# KiCad board Bongo-Cat-Fidget-Toy-panel.kicad_pcb (continued)
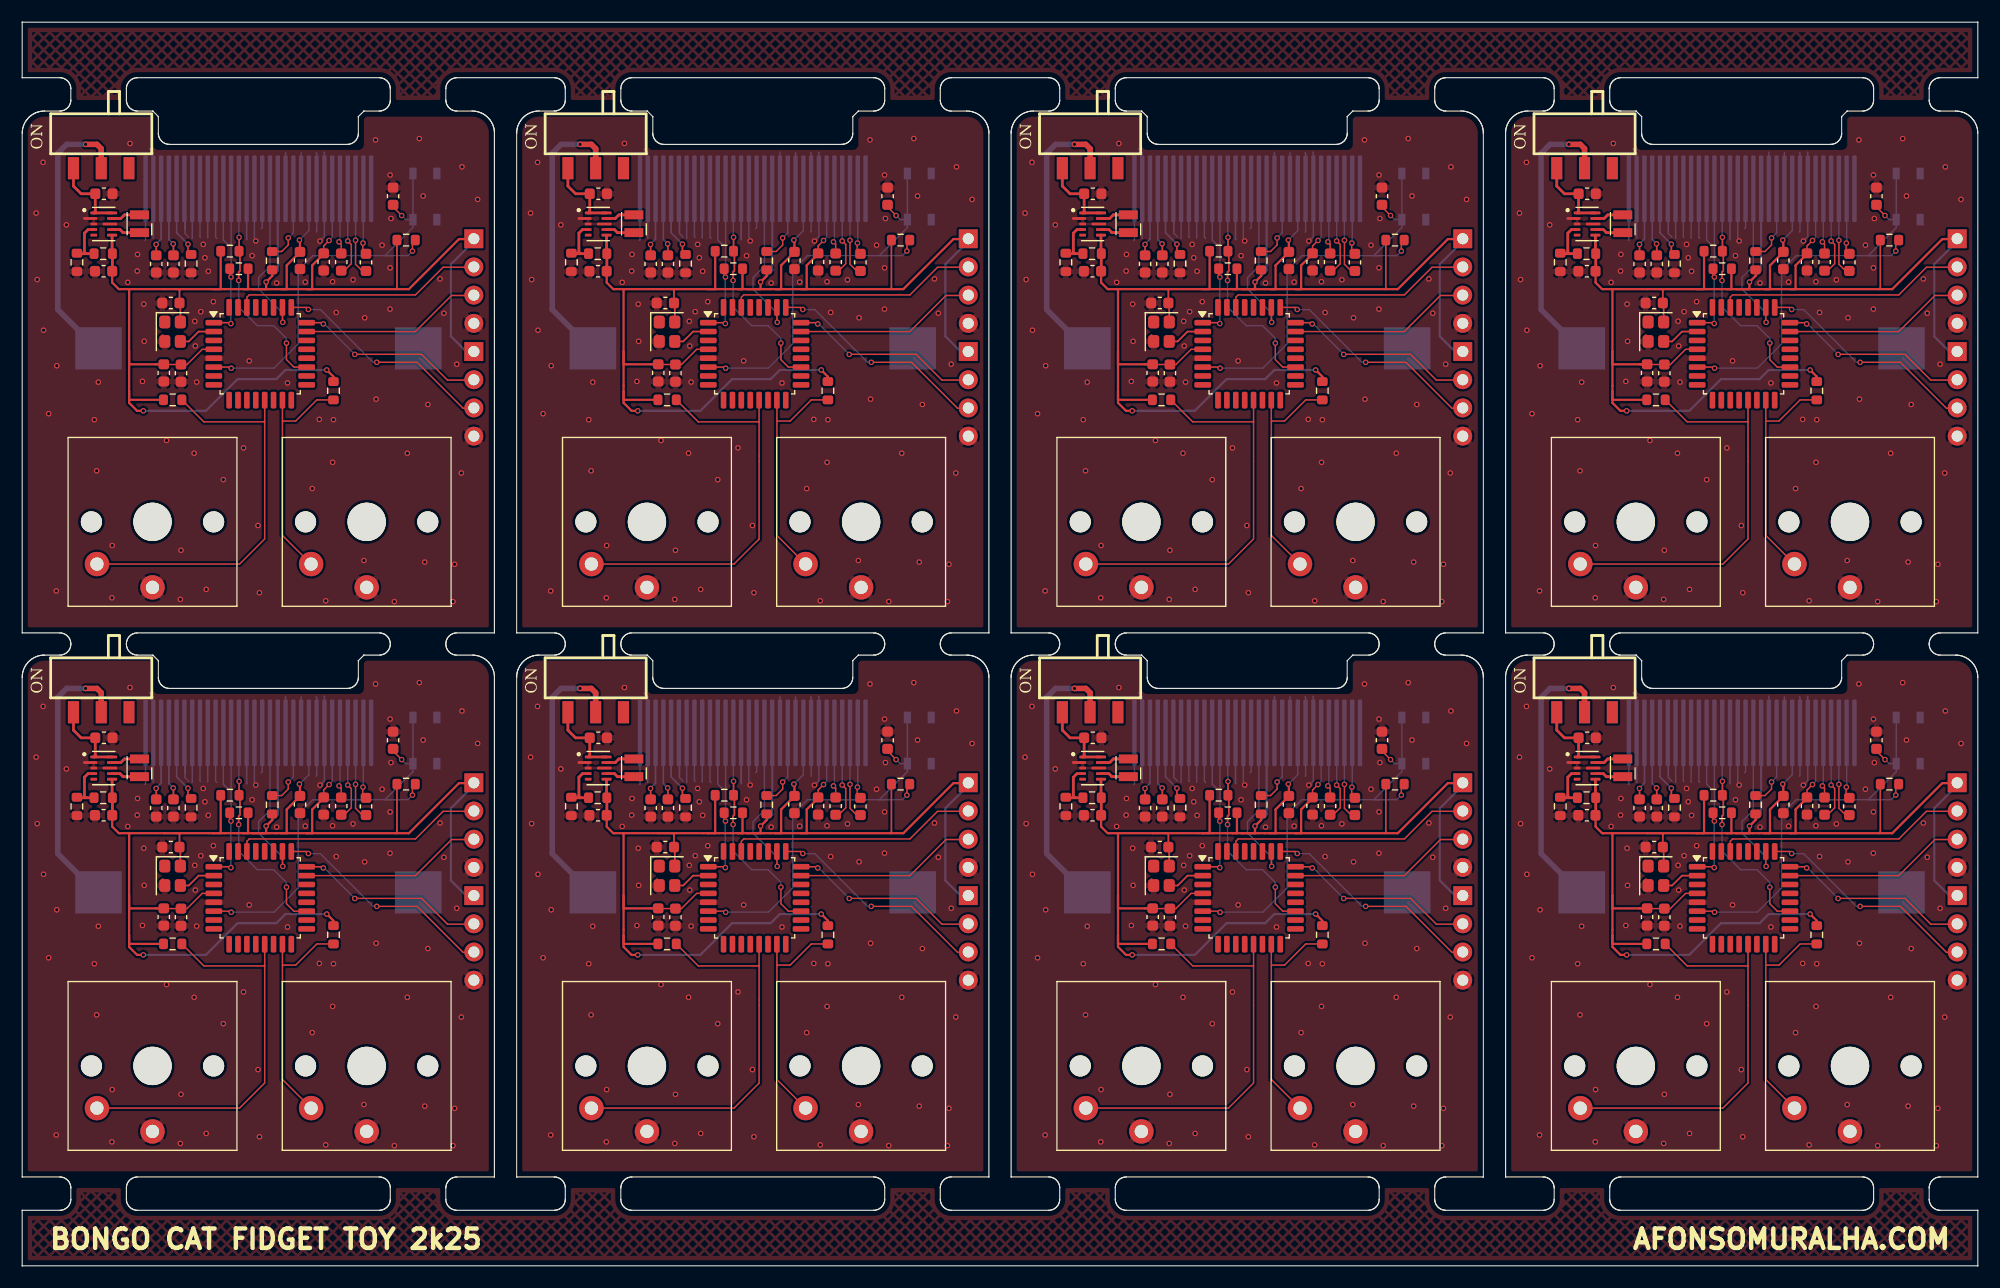
[diagram p0: board, top side]
## Routing (per net, layer and track width the routed paths; a pad name or vN(x,y) marks a point on that pad's centre or on a via; arc(x,y) is an arc through that point) (continued)
  Bottom w0.15: 20.22,43.43 20.2,43.45 20.2,47 ; 20.2,47 20.2,50.43 ; 20.2,47 20.23,46.97
  vias: v1(1.25,45.81) v1(1.35,39.82) v1(1.88,50.38) v1(1.92,35.26) v1(2.38,27.74) v1(3.11,32.06) v1(3.06,11.78) v1(3.97,44.75) v1(6.49,27.2) v1(6.7,22.6) v1(6.85,30.58) v1(8.1,15.87) v1(8.07,11.16) v1(9.5,39.57) v1(9.7,52.08) v1(10.35,40.59) v1(10.38,42.09) v1(10.82,30.65) v1(10.94,37.61) v1(10.98,34.26) v1(12.99,25.33) v1(14.23,11.02) v1(14.29,15.44) v1(15.53,36.07) v1(15.47,24.18) v1(15.58,33.84) v1(15.7,30.59) v1(16.07,36.93) v1(16.29,42.99) v1(16.44,41.79) v1(16.56,11.92) v1(16.74,40.57) v1(17.2,37.83) v1(18.1,21.8) v1(19.92,24.66) v1(20.43,32.5) v1(20.69,41.97) v1(21.02,43.3) v1(21.22,17.67) v1(21.35,11.62) v1(22.9,39.51) v1(23.88,30.51) v1(25.47,39.6) v1(26.1,21) v1(26.74,27.23) v1(27.32,10.89) v1(27.93,39.63) v1(27.94,23.36) v1(28.01,27.2) v1(28.26,36.86) v1(29.77,39.8) v1(30.75,14.52) v1(30.82,36.38) v1(31.8,52.4) v1(31.85,29.05) v1(32.39,42.92) v1(33.11,49.24) v1(33.11,40.88) v1(33.1,37.16) v1(33.19,45.32) v1(33.49,10.82) v1(34.66,24.18) v1(35.74,52.52) v1(36.08,47.35) v1(36.23,14.38) v1(36.51,28.57) v1(37.6,39.88) v1(37.95,36.79) v1(38.77,10.82) v1(38.91,14.18) v1(39.11,32.2) v1(39.52,22.4) v1(39.58,49.97) v1(40.99,47.04)
Board_4-Net-(BT1-+): length 25.3
  Top w0.5: SW5#7.2 7.11,51.62 6.72,52 v1(5.7,52)
  Bottom w0.5: BT1#7.1 6.69,33.63 3.2,37.12 3.2,51.2 4,52 v1(5.7,52)
Board_4-Net-(J1-Pin_2): length 4.9
  Top w0.127: v1(30.67,43.11) 30.65,43.09 30.65,42.14
  Bottom w0.127: 30.7,47 30.7,43.14 v1(30.67,43.11)
Board_4-Net-(J1-Pin_3): length 7
  Top w0.127: v1(30,43.36) 30,41.2 30.61,40.6 C9#6.1
  Bottom w0.127: 30,47 v1(30,43.36)
Board_4-Net-(J1-Pin_4): length 7.1
  Top w0.127: v1(29.3,43.3) 29.62,42.98 29.62,41.25 29,40.63 C8#3.2
  Bottom w0.127: v1(29.3,43.3) 29.3,47
Board_4-Net-(J1-Pin_5): length 4.9
  Top w0.127: C8#3.1 28.71,43.02 v1(28.51,43.22)
  Bottom w0.127: 28.6,47 28.6,43.31 v1(28.51,43.22)
Board_4-Net-(J1-Pin_26): length 5.1
  Top w0.15: v1(14.92,43.01) 14.92,42.31 14.9,42.29
  Bottom w0.15: v1(14.92,43.01) 13.9,44.03 13.9,47
Board_4-Net-(J1-Pin_27): length 5.2
  Top w0.15: C12#2.2 13.61,43.02 v1(13.59,43.04)
  Bottom w0.15: v1(13.59,43.04) 13.2,43.43 13.2,47
Board_4-Net-(J1-Pin_28): length 5.2
  Top w0.15: C13#6.2 12.06,42.98 v1(12.05,42.99)
  Bottom w0.15: 12.5,47 12.5,43.48 12.05,43.03 v1(12.05,42.99)
Board_4-Net-(SW5-C): length 7.3
  Top w0.25: U101#2.10 U101#2.1 6.58,45.96 6.58,47.55 5.3,47.55 4.61,48.24 SW5#7.1
Board_4-Net-(U101-FB): length 4.4
  Top w0.25: R6#6.2 5.72,42.16 ; 5.72,42.16 4.97,42.16 R4.1 ; 5.72,42.16 5.6,42.28 5.6,44 5.92,44.33 U101#2.4
Board_4-Net-(U101-L1): length 2.6
  Top w0.25: L102#6.1 9.2,45.65 8.88,45.33 U101#2.9
Board_4-Net-(U101-L2): length 2.6
  Top w0.25: U101#2.7 8.8,44.33 9.08,44.05 9.07,44.05 L102#6.2
Board_5-3V3: length 142.2
  Top w0.127: 71.63,41.95 C10.2 71.63,42.85 v1(72.12,43.34) ; 78.54,43.38 78.25,43.09 ; U1#7.4 60.7,33.54 59.33,32.17 C3.1 56.64,32.17 56.62,32.19 56.5,32.19 ; 57.5,28.96 57.53,28.99
  Top w0.15: 78.15,38.96 78.22,39.04 78.22,43.38
  Top w0.152: 57.26,38.96 58.55,38.96 58.66,38.86 C6#4.1 58.66,37.68 58.73,37.6 Y1.4
  Top w0.2: 54.12,29.74 54.12,33.33 ; 54.12,29.74 54.12,29 54.13,28.99 R1#8.1 ; 54.12,29.74 54.12,28.72 54.84,28 v1(55.4,28) ; v1(69.45,43.38) 69.5,43.33 C11#8.2 69.5,42.3 68.3,41.1 68.3,38.96 67.8,38.96 ; 61.68,38.96 64.41,38.96 ; 61.68,38.96 53.19,38.96 52.6,39.55 C2#5.1 ; 61.68,38.96 62.36,38.96 R13.2 ; 64.41,38.96 64.83,38.96 R12#2.2 ; 64.41,38.96 65.25,38.96 ; R2#2.1 72.51,31.08 v1(71.91,31.68) ; 65.25,38.96 66.45,38.96 v1(66.45,39.6) 67,40.15 R101#7.2 ; 65.25,38.96 67.8,38.96 ; 54.12,33.33 54.12,38.96 ; 54.12,33.33 54.12,32.19 C4#5.1 ; 70.11,38.96 79.3,38.96 83.81,43.47 85.34,43.47 ; 70.11,38.96 67.8,38.96 ; 70.11,38.96 70.6,38.96 70.6,41.1 71.54,42.04 71.63,41.95
  Top w0.25: 52.58,40.58 C2#5.1 52.61,40.59 R6#8.1 52.59,42.18 U101#5.6
  Bottom w0.127: 70.3,47 70.3,44.23 v1(69.45,43.38) ; 72.4,47 72.4,43.62 v1(72.12,43.34)
  Bottom w0.2: 67.5,47 67.5,40.65 v1(66.45,39.6) ; v1(55.4,28) 61.03,28 63.89,30.86 67.37,30.86 68.19,31.68 v1(71.91,31.68) ; 85.34,43.47 83.08,41.21 83.08,34.71 84.48,33.31 85.34,33.31
Board_5-/BS1: length 5.9
  Top w0.127: v1(68.44,43.57) 68.44,42.94 67.85,42.35 R101#7.1
  Bottom w0.127: v1(68.44,43.57) 68.9,44.03 68.9,47
Board_5-/OLED_RST: length 13.7
  Top w0.127: U1#7.26 67.92,36.01 v1(67.95,35.98)
  Bottom w0.127: 66.8,47 66.8,41.03 65.78,40 65.78,38.98 67.95,36.8 v1(67.95,35.98)
Board_5-/RST: length 38.6
  Top w0.127: 79.56,43.38 79.62,43.32 v1(79.62,42.39) ; U1#7.6 63.21,31.94 v1(63.31,31.84) ; C5#3.1 77.88,46.36 v1(78.65,45.59)
  Bottom w0.127: v1(78.65,45.59) 79.01,45.23 79.66,45.23 ; 77.71,41.98 77.14,41.98 79.66,44.51 79.66,45.23 ; 77.71,41.98 70.67,41.98 69.34,40.65 69.34,34.03 67.16,31.85 63.32,31.85 v1(63.31,31.84) ; 77.71,41.98 79.21,41.98 v1(79.62,42.39) ; 79.66,45.23 79.66,49.38
Board_5-/SCL: length 19.4
  Top w0.127: v1(68.28,34.1) 68.28,32.61 68.95,31.94 U1#7.19 ; v1(63.98,39.74) 63.9,39.82
  Top w0.152: v1(63.98,39.74) 63.98,40.5 64.09,40.62 64.09,42.39 64.02,42.47 v1(64.02,43.63)
  Bottom w0.127: 64,47 64,43.65 v1(64.02,43.63) ; v1(63.98,39.74) 63.98,37.35 65.65,35.68 67.12,35.68 68.27,34.53 68.27,34.11 v1(68.28,34.1)
  Bottom w0.15: 68.3,34.12 v1(68.28,34.1)
Board_5-/SDA: length 18.3
  Top w0.127: v1(63.28,35.86) 63.2,35.94 U1#7.1 61.68,35.88 ; 63.3,40.97 63.39,41.06
  Top w0.152: R12#2.1 63.17,40.17 v1(63.29,40.05)
  Bottom w0.127: v1(63.28,35.86) 63.28,40.07 63.3,40.09 ; 63.3,42.95 63.3,47 ; 63.3,42.95 63.3,40.06 v1(63.29,40.05) ; 63.3,42.95 63.03,42.95 62.6,43.38 62.6,47
  Bottom w0.15: v1(63.28,35.86) 63.29,35.85
Board_5-/SW1: length 36.8
  Top w0.127: SW1#4.2 64.06,14.2 66.32,16.46 66.32,27 ; U1#7.13 66.32,27 ; 66.32,27 66.31,27.01 60.84,27.01 R1#8.2
Board_5-/SW2: length 21.2
  Top w0.127: U1#7.15 67.92,27.05 ; 67.92,27.05 67.95,27.08 69.11,27.08 71.01,28.99 R2#2.2 ; 67.92,27.05 67.92,16.78 SW2#5.2
Board_5-/SWCLK: length 20.4
  Top w0.127: v1(76.41,32.37) 80.04,32.37 84.18,28.23 85.34,28.23 ; v1(70.25,37.13) 70.06,37.32 U1#7.25
  Bottom w0.127: v1(76.41,32.37) 76.08,32.37 71.33,37.12 70.26,37.12 v1(70.25,37.13)
Board_5-/SWDIO: length 17.4
  Top w0.127: 85.34,30.77 82.77,30.77 80.45,33.09 74.44,33.09 v1(74.43,33.08) ; 69.95,35.96 69.94,35.95 ; v1(71.6,35.83) 71.49,35.94 U1#7.24
  Bottom w0.127: v1(74.43,33.08) 74.43,33.09 71.69,35.83 v1(71.6,35.83)
Board_5-/UART_RX: length 16.6
  Top w0.127: U1#7.23 79.89,35.14 83.14,38.39 85.34,38.39
Board_5-/UART_TX: length 22.8
  Top w0.127: 85.34,40.93 82.38,40.93 79.89,38.44 64.93,38.44 64.72,38.23 U1#7.30 ; 64.73,37.6 64.73,37.51 64.72,37.5
Board_5-/XTAL_IN: length 3.4
  Top w0.127: 61.72,35.12 U1#7.2
  Top w0.152: Y1.3 59.49,34.25 60.38,35.14 U1#7.2
Board_5-GND: length 108.5
  Top w0.127: 57.13,34.83 57.16,34.83
  Top w0.25: 51,40.39 51.08,40.31 ; 50.1,45.33 U101#5.2
  Bottom w0.127: 60.5,50.43 60.5,43.68 60.55,43.63 ; 56.3,50.26 56.3,43.57 56.28,43.55 ; 61.17,43.58 61.2,43.6 61.2,50.4 ; v1(71.3,43.29) 71.7,43.69 71.7,47 ; 59.8,50.58 59.8,43.55 59.83,43.53 ; J1#4.7 71.7,51.25 71.65,51.3 ; 70.95,51.25 71,51.2 J1#4.8 71,44.15 70.95,44.1 ; 71,47 71,50.51 ; J1#4.10 69.6,51.25 ; J1#4.29 56.3,51.25 55.95,51.6 ; 59.47,43.65 59.15,43.98 59.15,46.95 ; 65.4,50.48 65.4,43.63 65.38,43.6 ; 62,43.53 61.9,43.63 61.9,50.5 ; 59.15,46.95 59.1,47 59.1,50.45 ; 59.15,46.95 59.15,44.25 ; J1#4.12 68.2,51.3 ; 66,44.4 66.1,44.5 J1#4.15 ; 69.6,47 69.6,50.64 ; 55.55,43.35 55.6,43.4 55.6,50.41 ; 66.1,50.33 66.1,47 ; 68.2,47 68.2,50.61
  Bottom w0.15: 64.7,47 64.73,46.97 ; 64.7,47 64.7,43.45 64.72,43.43 ; 64.7,47 64.7,50.43
  vias: v1(45.75,45.81) v1(45.85,39.82) v1(46.38,50.38) v1(46.42,35.26) v1(46.88,27.74) v1(47.61,32.06) v1(47.56,11.78) v1(48.47,44.75) v1(50.99,27.2) v1(51.2,22.6) v1(51.35,30.58) v1(52.6,15.87) v1(52.57,11.16) v1(54,39.57) v1(54.2,52.08) v1(54.85,40.59) v1(54.88,42.09) v1(55.32,30.65) v1(55.44,37.61) v1(55.48,34.26) v1(57.49,25.33) v1(58.73,11.02) v1(58.79,15.44) v1(60.03,36.07) v1(59.97,24.18) v1(60.08,33.84) v1(60.2,30.59) v1(60.57,36.93) v1(60.79,42.99) v1(60.94,41.79) v1(61.06,11.92) v1(61.24,40.57) v1(61.7,37.83) v1(62.6,21.8) v1(64.42,24.66) v1(64.93,32.5) v1(65.19,41.97) v1(65.52,43.3) v1(65.72,17.67) v1(65.85,11.62) v1(67.4,39.51) v1(68.38,30.51) v1(69.97,39.6) v1(70.6,21) v1(71.24,27.23) v1(71.82,10.89) v1(72.43,39.63) v1(72.44,23.36) v1(72.51,27.2) v1(72.76,36.86) v1(74.27,39.8) v1(75.32,36.38) v1(75.25,14.52) v1(76.3,52.4) v1(76.35,29.05) v1(76.89,42.92) v1(77.61,49.24) v1(77.61,40.88) v1(77.6,37.16) v1(77.69,45.32) v1(77.99,10.82) v1(79.16,24.18) v1(80.24,52.52) v1(80.58,47.35) v1(80.73,14.38) v1(81.01,28.57) v1(82.1,39.88) v1(82.45,36.79) v1(83.27,10.82) v1(83.41,14.18) v1(83.61,32.2) v1(84.02,22.4) v1(84.08,49.97) v1(85.49,47.04)
Board_5-Net-(BT1-+): length 25.3
  Top w0.5: v1(50.2,52) 51.22,52 51.61,51.62 SW5#6.2
  Bottom w0.5: v1(50.2,52) 48.5,52 47.7,51.2 47.7,37.12 51.19,33.63 BT1#6.1
Board_5-Net-(J1-Pin_2): length 4.9
  Top w0.127: v1(75.17,43.11) 75.15,43.09 75.15,42.14
  Bottom w0.127: v1(75.17,43.11) 75.2,43.14 75.2,47
Board_5-Net-(J1-Pin_3): length 7
  Top w0.127: v1(74.5,43.36) 74.5,41.2 75.1,40.6 C9#3.1
  Bottom w0.127: 74.5,47 v1(74.5,43.36)
Board_5-Net-(J1-Pin_4): length 7.1
  Top w0.127: v1(73.8,43.3) 74.12,42.98 74.12,41.25 73.5,40.63 C8#4.2
  Bottom w0.127: v1(73.8,43.3) 73.8,47
Board_5-Net-(J1-Pin_5): length 4.9
  Top w0.127: v1(73.01,43.22) 73.21,43.02 C8#4.1
  Bottom w0.127: v1(73.01,43.22) 73.1,43.31 73.1,47
Board_5-Net-(J1-Pin_26): length 5.1
  Top w0.15: v1(59.42,43.01) 59.42,42.31 59.4,42.29
  Bottom w0.15: v1(59.42,43.01) 58.4,44.03 58.4,47
Board_5-Net-(J1-Pin_27): length 5.2
  Top w0.15: v1(58.09,43.04) 58.11,43.02 C12#8.2
  Bottom w0.15: v1(58.09,43.04) 57.7,43.43 57.7,47
Board_5-Net-(J1-Pin_28): length 5.2
  Top w0.15: v1(56.55,42.99) 56.56,42.98 C13#3.2
  Bottom w0.15: 57,47 57,43.48 56.55,43.03 v1(56.55,42.99)
Board_5-Net-(SW5-C): length 7.3
  Top w0.25: U101#5.10 U101#5.1 51.08,45.96 51.08,47.55 49.8,47.55 49.11,48.24 SW5#6.1
Board_5-Net-(U101-FB): length 4.4
  Top w0.25: 50.22,42.16 49.47,42.16 R4#4.1 ; 50.22,42.16 50.1,42.28 50.1,44 50.42,44.33 U101#5.4 ; 50.22,42.16 R6#8.2
Board_5-Net-(U101-L1): length 2.6
  Top w0.25: L102#7.1 53.7,45.65 53.38,45.33 U101#5.9
Board_5-Net-(U101-L2): length 2.6
  Top w0.25: L102#7.2 53.57,44.05 53.58,44.05 53.3,44.33 U101#5.7
Board_6-3V3: length 142.2
  Top w0.127: 123.04,43.38 122.75,43.09 ; U1#8.4 105.2,33.54 103.83,32.17 C3#6.1 101.14,32.17 101.12,32.19 101,32.19 ; v1(116.62,43.34) 116.13,42.85 C10#5.2 116.13,41.95 ; 102,28.96 102.03,28.99
  Top w0.15: 122.65,38.96 122.72,39.04 122.72,43.38
  Top w0.152: 101.76,38.96 103.05,38.96 103.16,38.86 C6#6.1 103.16,37.68 103.23,37.6 Y1#2.4
  Top w0.2: 112.3,38.96 109.75,38.96 ; 112.3,38.96 114.61,38.96 ; 112.3,38.96 112.8,38.96 112.8,41.1 114,42.3 C11#2.2 114,43.33 v1(113.95,43.38) ; R13#6.2 106.87,38.96 106.18,38.96 ; 98.62,29.74 98.62,28.72 99.34,28 v1(99.9,28) ; 98.62,29.74 98.62,29 98.63,28.99 R1#7.1 ; 98.62,29.74 98.62,33.33 ; 108.91,38.96 109.75,38.96 ; 108.91,38.96 109.32,38.96 R12#8.2 ; 108.91,38.96 106.18,38.96 ; 109.75,38.96 110.95,38.96 v1(110.95,39.6) 111.5,40.15 R101#8.2 ; 106.18,38.96 97.69,38.96 97.1,39.55 C2#4.1 ; 116.13,41.95 116.04,42.04 115.1,41.1 115.1,38.96 114.61,38.96 ; R2#7.1 117.01,31.08 v1(116.41,31.68) ; 114.61,38.96 123.8,38.96 128.31,43.47 129.84,43.47 ; 98.62,33.33 98.62,32.19 C4#8.1 ; 98.62,33.33 98.62,38.96
  Top w0.25: 97.07,40.58 C2#4.1 97.12,40.59 97.12,42.16 97.09,42.18 U101#7.6
  Bottom w0.127: v1(113.95,43.38) 114.8,44.23 114.8,47 ; v1(116.62,43.34) 116.9,43.62 116.9,47
  Bottom w0.2: v1(110.95,39.6) 112,40.65 112,47 ; v1(99.9,28) 105.53,28 108.39,30.86 111.87,30.86 112.69,31.68 v1(116.41,31.68) ; 129.84,33.31 128.98,33.31 127.58,34.71 127.58,41.21 129.84,43.47
Board_6-/BS1: length 5.9
  Top w0.127: v1(112.94,43.57) 112.94,42.94 112.35,42.35 R101#8.1
  Bottom w0.127: 113.4,47 113.4,44.03 v1(112.94,43.57)
Board_6-/OLED_RST: length 13.7
  Top w0.127: v1(112.45,35.98) 112.42,36.01 U1#8.26
  Bottom w0.127: 111.3,47 111.3,41.03 110.28,40 110.28,38.98 112.45,36.8 v1(112.45,35.98)
Board_6-/RST: length 38.6
  Top w0.127: v1(107.81,31.84) 107.71,31.94 U1#8.6 ; v1(123.15,45.59) 122.38,46.36 C5#7.1 ; v1(124.12,42.39) 124.12,43.32 124.06,43.38
  Bottom w0.127: v1(123.15,45.59) 123.51,45.23 124.16,45.23 ; 124.16,45.23 124.16,44.51 121.64,41.98 122.21,41.98 ; 124.16,45.23 124.16,49.38 ; 122.21,41.98 115.17,41.98 113.84,40.65 113.84,34.03 111.66,31.85 107.82,31.85 v1(107.81,31.84) ; 122.21,41.98 123.71,41.98 v1(124.12,42.39)
Board_6-/SCL: length 19.4
  Top w0.127: v1(108.48,39.74) 108.4,39.82 ; v1(112.78,34.1) 112.78,32.61 113.45,31.94 U1#8.19
  Top w0.152: v1(108.52,43.63) 108.52,42.47 108.59,42.39 108.59,40.62 108.48,40.5 v1(108.48,39.74)
  Bottom w0.127: v1(108.52,43.63) 108.5,43.65 108.5,47 ; v1(108.48,39.74) 108.48,37.35 110.15,35.68 111.62,35.68 112.77,34.53 112.77,34.11 v1(112.78,34.1)
  Bottom w0.15: 112.8,34.12 v1(112.78,34.1)
Board_6-/SDA: length 18.3
  Top w0.127: v1(107.78,35.86) 107.7,35.94 U1#8.1 106.18,35.88 ; 107.8,40.97 107.89,41.06
  Top w0.152: v1(107.79,40.05) 107.68,40.17 R12#8.1
  Bottom w0.127: v1(107.79,40.05) 107.8,40.06 107.8,42.95 ; 107.8,42.95 107.8,47 ; 107.8,42.95 107.53,42.95 107.1,43.38 107.1,47 ; 107.8,40.09 107.78,40.07 v1(107.78,35.86)
  Bottom w0.15: v1(107.78,35.86) 107.79,35.85
Board_6-/SW1: length 36.8
  Top w0.127: 110.82,27 110.82,16.46 108.56,14.2 SW1#3.2 ; 110.82,27 U1#8.13 ; 110.82,27 110.81,27.01 105.34,27.01 R1#7.2
Board_6-/SW2: length 21.2
  Top w0.127: SW2#8.2 112.42,16.78 112.42,27.05 ; 112.42,27.05 U1#8.15 ; 112.42,27.05 112.45,27.08 113.61,27.08 115.51,28.99 R2#7.2
Board_6-/SWCLK: length 20.4
  Top w0.127: v1(114.75,37.13) 114.56,37.32 U1#8.25 ; v1(120.91,32.37) 124.54,32.37 128.68,28.23 129.84,28.23
  Bottom w0.127: v1(114.75,37.13) 114.76,37.12 115.83,37.12 120.58,32.37 v1(120.91,32.37)
Board_6-/SWDIO: length 17.4
  Top w0.127: 129.84,30.77 127.27,30.77 124.95,33.09 118.94,33.09 v1(118.93,33.08) ; v1(116.1,35.83) 115.99,35.94 U1#8.24 ; 114.45,35.96 114.44,35.95
  Bottom w0.127: v1(118.93,33.08) 118.93,33.09 116.19,35.83 v1(116.1,35.83)
Board_6-/UART_RX: length 16.6
  Top w0.127: 129.84,38.39 127.64,38.39 124.39,35.14 U1#8.23
Board_6-/UART_TX: length 22.8
  Top w0.127: 109.22,37.5 109.23,37.51 109.23,37.6 ; U1#8.30 109.22,38.23 109.43,38.44 124.39,38.44 126.88,40.93 129.84,40.93
Board_6-/XTAL_IN: length 3.4
  Top w0.127: 106.22,35.12 U1#8.2
  Top w0.152: U1#8.2 104.88,35.14 103.99,34.25 Y1#2.3
Board_6-GND: length 108.5
  Top w0.127: 101.63,34.83 101.66,34.83
  Top w0.25: 95.5,40.39 95.58,40.31 ; 94.6,45.33 U101#7.2
  Bottom w0.127: 109.9,50.48 109.9,43.63 109.88,43.6 ; 103.65,46.95 103.65,43.98 103.97,43.65 ; 103.65,46.95 103.65,44.25 ; 103.65,46.95 103.6,47 103.6,50.45 ; 114.1,47 114.1,50.64 ; 104.32,43.53 104.3,43.55 104.3,50.58 ; 105,50.43 105,43.68 105.05,43.63 ; 100.78,43.55 100.8,43.57 100.8,50.26 ; 115.5,47 115.5,50.51 ; 106.4,50.5 106.4,43.63 106.5,43.53 ; v1(115.8,43.29) 116.2,43.69 116.2,47 ; J1#2.7 116.2,51.25 116.15,51.3 ; 105.7,50.4 105.7,43.6 105.68,43.58 ; J1#2.10 114.1,51.25 ; 100.1,50.41 100.1,43.4 100.05,43.35 ; 115.45,51.25 115.5,51.2 J1#2.8 115.5,44.15 115.45,44.1 ; 112.7,47 112.7,50.61 ; 100.45,51.6 100.8,51.25 J1#2.29 ; 110.5,44.4 110.6,44.5 J1#2.15 ; J1#2.12 112.7,51.3 ; 110.6,50.33 110.6,47
  Bottom w0.15: 109.2,47 109.2,50.43 ; 109.2,47 109.2,43.45 109.22,43.43 ; 109.2,47 109.23,46.97
  vias: v1(90.25,45.81) v1(90.35,39.82) v1(90.88,50.38) v1(90.92,35.26) v1(91.38,27.74) v1(92.11,32.06) v1(92.06,11.78) v1(92.97,44.75) v1(95.49,27.2) v1(95.7,22.6) v1(95.85,30.58) v1(97.1,15.87) v1(97.07,11.16) v1(98.5,39.57) v1(98.7,52.08) v1(99.35,40.59) v1(99.38,42.09) v1(99.82,30.65) v1(99.94,37.61) v1(99.98,34.26) v1(101.99,25.33) v1(103.23,11.02) v1(103.29,15.44) v1(104.53,36.07) v1(104.47,24.18) v1(104.58,33.84) v1(104.7,30.59) v1(105.07,36.93) v1(105.29,42.99) v1(105.44,41.79) v1(105.56,11.92) v1(105.74,40.57) v1(106.2,37.83) v1(107.1,21.8) v1(108.92,24.66) v1(109.43,32.5) v1(109.69,41.97) v1(110.02,43.3) v1(110.22,17.67) v1(110.35,11.62) v1(111.9,39.51) v1(112.88,30.51) v1(114.47,39.6) v1(115.1,21) v1(115.74,27.23) v1(116.32,10.89) v1(116.93,39.63) v1(116.94,23.36) v1(117.01,27.2) v1(117.26,36.86) v1(118.77,39.8) v1(119.75,14.52) v1(119.82,36.38) v1(120.8,52.4) v1(120.85,29.05) v1(121.39,42.92) v1(122.11,49.24) v1(122.11,40.88) v1(122.1,37.16) v1(122.19,45.32) v1(122.49,10.82) v1(123.66,24.18) v1(124.74,52.52) v1(125.08,47.35) v1(125.23,14.38) v1(125.51,28.57) v1(126.6,39.88) v1(126.95,36.79) v1(127.77,10.82) v1(127.91,14.18) v1(128.11,32.2) v1(128.52,22.4) v1(128.58,49.97) v1(129.99,47.04)
Board_6-Net-(BT1-+): length 25.3
  Top w0.5: v1(94.7,52) 95.72,52 96.11,51.62 SW5#3.2
  Bottom w0.5: v1(94.7,52) 93,52 92.2,51.2 92.2,37.12 95.69,33.63 BT1#2.1
Board_6-Net-(J1-Pin_2): length 4.9
  Top w0.127: v1(119.67,43.11) 119.65,43.09 119.65,42.14
  Bottom w0.127: 119.7,47 119.7,43.14 v1(119.67,43.11)
Board_6-Net-(J1-Pin_3): length 7
  Top w0.127: C9#5.1 119.6,40.6 119,41.2 v1(119,43.36)
  Bottom w0.127: 119,47 v1(119,43.36)
Board_6-Net-(J1-Pin_4): length 7.1
  Top w0.127: v1(118.3,43.3) 118.62,42.98 118.62,41.25 118,40.63 C8#5.2
  Bottom w0.127: v1(118.3,43.3) 118.3,47
Board_6-Net-(J1-Pin_5): length 4.9
  Top w0.127: v1(117.51,43.22) 117.71,43.02 C8#5.1
  Bottom w0.127: 117.6,47 117.6,43.31 v1(117.51,43.22)
Board_6-Net-(J1-Pin_26): length 5.1
  Top w0.15: 103.9,42.29 103.92,42.31 v1(103.92,43.01)
  Bottom w0.15: v1(103.92,43.01) 102.9,44.03 102.9,47
Board_6-Net-(J1-Pin_27): length 5.2
  Top w0.15: v1(102.59,43.04) 102.61,43.02 C12#3.2
  Bottom w0.15: v1(102.59,43.04) 102.2,43.43 102.2,47
Board_6-Net-(J1-Pin_28): length 5.2
  Top w0.15: C13#4.2 101.06,42.98 v1(101.05,42.99)
  Bottom w0.15: 101.5,47 101.5,43.48 101.05,43.03 v1(101.05,42.99)
Board_6-Net-(SW5-C): length 7.3
  Top w0.25: SW5#3.1 93.61,48.24 94.3,47.55 C1#5.1 95.57,45.96 U101#7.1 U101#7.10
Board_6-Net-(U101-FB): length 4.4
  Top w0.25: 94.72,42.16 93.97,42.16 R4#5.1 ; 94.72,42.16 94.6,42.28 94.6,44 94.93,44.33 U101#7.4 ; 94.72,42.16 R6.2
Board_6-Net-(U101-L1): length 2.6
  Top w0.25: U101#7.9 97.88,45.33 98.2,45.65 L102.1
Board_6-Net-(U101-L2): length 2.6
  Top w0.25: U101#7.7 97.8,44.33 98.07,44.05 98.07,44.05 L102.2
Board_7-3V3: length 142.2
  Top w0.127: v1(161.12,43.34) 160.63,42.85 C10#6.2 160.63,41.95 ; U1.4 149.7,33.54 148.33,32.17 C3#4.1 145.64,32.17 145.62,32.19 145.5,32.19 ; 146.5,28.96 146.53,28.99 ; 167.54,43.38 167.25,43.09
  Top w0.15: 167.22,43.38 167.22,39.04 167.15,38.96
  Top w0.152: 146.26,38.96 147.55,38.96 147.66,38.86 C6#5.1 147.66,37.68 147.73,37.6 Y1#3.4
  Top w0.2: 156.8,38.96 157.3,38.96 157.3,41.1 158.5,42.3 C11#7.2 158.5,43.33 v1(158.45,43.38) ; 156.8,38.96 159.11,38.96 ; 156.8,38.96 154.25,38.96 ; 143.12,29.74 143.12,29 143.13,28.99 R1.1 ; 143.12,29.74 143.12,33.33 ; 143.12,29.74 143.12,28.72 143.84,28 v1(144.4,28) ; C4#6.1 143.12,32.19 143.12,33.33 ; C2#6.1 141.6,39.55 142.19,38.96 150.68,38.96 ; 159.11,38.96 168.3,38.96 172.81,43.47 174.34,43.47 ; 159.11,38.96 159.6,38.96 159.6,41.1 160.54,42.04 160.63,41.95 ; 143.12,33.33 143.12,38.96 ; R12#4.2 153.82,38.96 153.41,38.96 ; v1(160.91,31.68) 161.51,31.08 R2#6.1 ; 150.68,38.96 153.41,38.96 ; 150.68,38.96 151.37,38.96 R13#3.2 ; 154.25,38.96 155.45,38.96 v1(155.45,39.6) 156,40.15 R101#6.2 ; 154.25,38.96 153.41,38.96
  Top w0.25: 141.57,40.58 C2#6.1 141.62,40.59 141.62,42.16 141.59,42.18 U101#3.6
  Bottom w0.127: v1(158.45,43.38) 159.3,44.23 159.3,47 ; v1(161.12,43.34) 161.4,43.62 161.4,47
  Bottom w0.2: 156.5,47 156.5,40.65 v1(155.45,39.6) ; 174.34,43.47 172.08,41.21 172.08,34.71 173.48,33.31 174.34,33.31 ; v1(144.4,28) 150.03,28 152.89,30.86 156.37,30.86 157.19,31.68 v1(160.91,31.68)
Board_7-/BS1: length 5.9
  Top w0.127: v1(157.44,43.57) 157.44,42.94 156.85,42.35 R101#6.1
  Bottom w0.127: v1(157.44,43.57) 157.9,44.03 157.9,47
Board_7-/OLED_RST: length 13.7
  Top w0.127: v1(156.95,35.98) 156.92,36.01 U1.26
  Bottom w0.127: v1(156.95,35.98) 156.95,36.8 154.78,38.98 154.78,40 155.8,41.03 155.8,47
Board_7-/RST: length 38.6
  Top w0.127: U1.6 152.21,31.94 v1(152.31,31.84) ; v1(167.65,45.59) 166.88,46.36 C5#6.1 ; v1(168.62,42.39) 168.62,43.32 168.56,43.38
  Bottom w0.127: 166.71,41.98 159.67,41.98 158.34,40.65 158.34,34.03 156.16,31.85 152.32,31.85 v1(152.31,31.84) ; 166.71,41.98 166.14,41.98 168.66,44.51 168.66,45.23 ; 166.71,41.98 168.21,41.98 v1(168.62,42.39) ; 168.66,45.23 168.01,45.23 v1(167.65,45.59) ; 168.66,45.23 168.66,49.38
Board_7-/SCL: length 19.4
  Top w0.127: U1.19 157.95,31.94 157.28,32.61 v1(157.28,34.1) ; v1(152.98,39.74) 152.9,39.82
  Top w0.152: v1(152.98,39.74) 152.98,40.5 153.09,40.62 153.09,42.39 153.02,42.47 v1(153.02,43.63)
  Bottom w0.127: 153,47 153,43.65 v1(153.02,43.63) ; v1(157.28,34.1) 157.27,34.11 157.27,34.53 156.12,35.68 154.65,35.68 152.98,37.35 v1(152.98,39.74)
  Bottom w0.15: 157.3,34.12 v1(157.28,34.1)
Board_7-/SDA: length 18.3
  Top w0.127: v1(152.28,35.86) 152.2,35.94 U1.1 150.68,35.88 ; 152.3,40.97 152.39,41.06
  Top w0.152: R12#4.1 152.18,40.17 v1(152.29,40.05)
  Bottom w0.127: v1(152.28,35.86) 152.28,40.07 152.3,40.09 ; 152.3,42.95 152.3,40.06 v1(152.29,40.05) ; 152.3,42.95 152.3,47 ; 152.3,42.95 152.03,42.95 151.6,43.38 151.6,47
  Bottom w0.15: v1(152.28,35.86) 152.29,35.85
Board_7-/SW1: length 36.8
  Top w0.127: SW1#2.2 153.06,14.2 155.32,16.46 155.32,27 ; 155.32,27 155.31,27.01 149.84,27.01 R1.2 ; 155.32,27 U1.13
Board_7-/SW2: length 21.2
  Top w0.127: SW2#4.2 156.92,16.78 156.92,27.05 ; 156.92,27.05 U1.15 ; 156.92,27.05 156.95,27.08 158.11,27.08 160.01,28.99 R2#6.2
Board_7-/SWCLK: length 20.4
  Top w0.127: v1(165.41,32.37) 169.04,32.37 173.18,28.23 174.34,28.23 ; v1(159.25,37.13) 159.06,37.32 U1.25
  Bottom w0.127: v1(165.41,32.37) 165.08,32.37 160.33,37.12 159.26,37.12 v1(159.25,37.13)
Board_7-/SWDIO: length 17.4
  Top w0.127: 158.95,35.96 158.94,35.95 ; U1.24 160.49,35.94 v1(160.6,35.83) ; v1(163.43,33.08) 163.44,33.09 169.45,33.09 171.77,30.77 174.34,30.77
  Bottom w0.127: v1(160.6,35.83) 160.69,35.83 163.43,33.09 v1(163.43,33.08)
Board_7-/UART_RX: length 16.6
  Top w0.127: U1.23 168.89,35.14 172.14,38.39 174.34,38.39
Board_7-/UART_TX: length 22.8
  Top w0.127: U1.30 153.72,38.23 153.93,38.44 168.89,38.44 171.38,40.93 174.34,40.93 ; 153.73,37.6 153.73,37.51 153.72,37.5
Board_7-/XTAL_IN: length 3.4
  Top w0.127: 150.72,35.12 U1.2
  Top w0.152: U1.2 149.38,35.14 148.49,34.25 Y1#3.3
Board_7-GND: length 108.5
  Top w0.127: 146.13,34.83 146.16,34.83
  Top w0.25: 140,40.39 140.08,40.31 ; 139.1,45.33 U101#3.2
  Bottom w0.127: 150.2,50.4 150.2,43.6 150.18,43.58 ; J1#8.15 155.1,44.5 155,44.4 ; 158.6,47 158.6,50.64 ; 150.9,50.5 150.9,43.63 151,43.53 ; J1#8.12 157.2,51.3 ; 149.55,43.63 149.5,43.68 149.5,50.43 ; 144.55,43.35 144.6,43.4 144.6,50.41 ; 148.82,43.53 148.8,43.55 148.8,50.58 ; J1#8.10 158.6,51.25 ; 159.95,51.25 160,51.2 J1#8.8 160,44.15 159.95,44.1 ; 148.47,43.65 148.15,43.98 148.15,46.95 ; 148.15,46.95 148.1,47 148.1,50.45 ; 148.15,46.95 148.15,44.25 ; 157.2,47 157.2,50.61 ; v1(160.3,43.29) 160.7,43.69 160.7,47 ; 155.1,50.33 155.1,47 ; 145.28,43.55 145.3,43.57 145.3,50.26 ; 154.38,43.6 154.4,43.63 154.4,50.48 ; 160,47 160,50.51 ; J1#8.29 145.3,51.25 144.95,51.6 ; J1#8.7 160.7,51.25 160.65,51.3
  Bottom w0.15: 153.7,47 153.7,50.43 ; 153.7,47 153.7,43.45 153.72,43.43 ; 153.7,47 153.73,46.97
  vias: v1(134.75,45.81) v1(134.85,39.82) v1(135.38,50.38) v1(135.42,35.26) v1(135.88,27.74) v1(136.61,32.06) v1(136.56,11.78) v1(137.47,44.75) v1(139.99,27.2) v1(140.2,22.6) v1(140.35,30.58) v1(141.6,15.87) v1(141.57,11.16) v1(143,39.57) v1(143.2,52.08) v1(143.85,40.59) v1(143.88,42.09) v1(144.32,30.65) v1(144.44,37.61) v1(144.48,34.26) v1(146.49,25.33) v1(147.73,11.02) v1(147.79,15.44) v1(149.03,36.07) v1(148.97,24.18) v1(149.08,33.84) v1(149.2,30.59) v1(149.57,36.93) v1(149.79,42.99) v1(149.94,41.79) v1(150.06,11.92) v1(150.24,40.57) v1(150.7,37.83) v1(151.6,21.8) v1(153.42,24.66) v1(153.93,32.5) v1(154.19,41.97) v1(154.52,43.3) v1(154.72,17.67) v1(154.85,11.62) v1(156.4,39.51) v1(157.38,30.51) v1(158.97,39.6) v1(159.6,21) v1(160.24,27.23) v1(160.82,10.89) v1(161.43,39.63) v1(161.44,23.36) v1(161.51,27.2) v1(161.76,36.86) v1(163.27,39.8) v1(164.32,36.38) v1(164.25,14.52) v1(165.3,52.4) v1(165.35,29.05) v1(165.89,42.92) v1(166.61,49.24) v1(166.61,40.88) v1(166.6,37.16) v1(166.69,45.32) v1(166.99,10.82) v1(168.16,24.18) v1(169.24,52.52) v1(169.58,47.35) v1(169.73,14.38) v1(170.01,28.57) v1(171.1,39.88) v1(171.45,36.79) v1(172.27,10.82) v1(172.41,14.18) v1(172.61,32.2) v1(173.02,22.4) v1(173.08,49.97) v1(174.49,47.04)
Board_7-Net-(BT1-+): length 25.3
  Top w0.5: SW5#8.2 140.61,51.62 140.22,52 v1(139.2,52)
  Bottom w0.5: BT1.1 140.19,33.63 136.7,37.12 136.7,51.2 137.5,52 v1(139.2,52)
